# Altium PCB LAY-94611_B.PcbDoc (part 5 of 16) (continued)
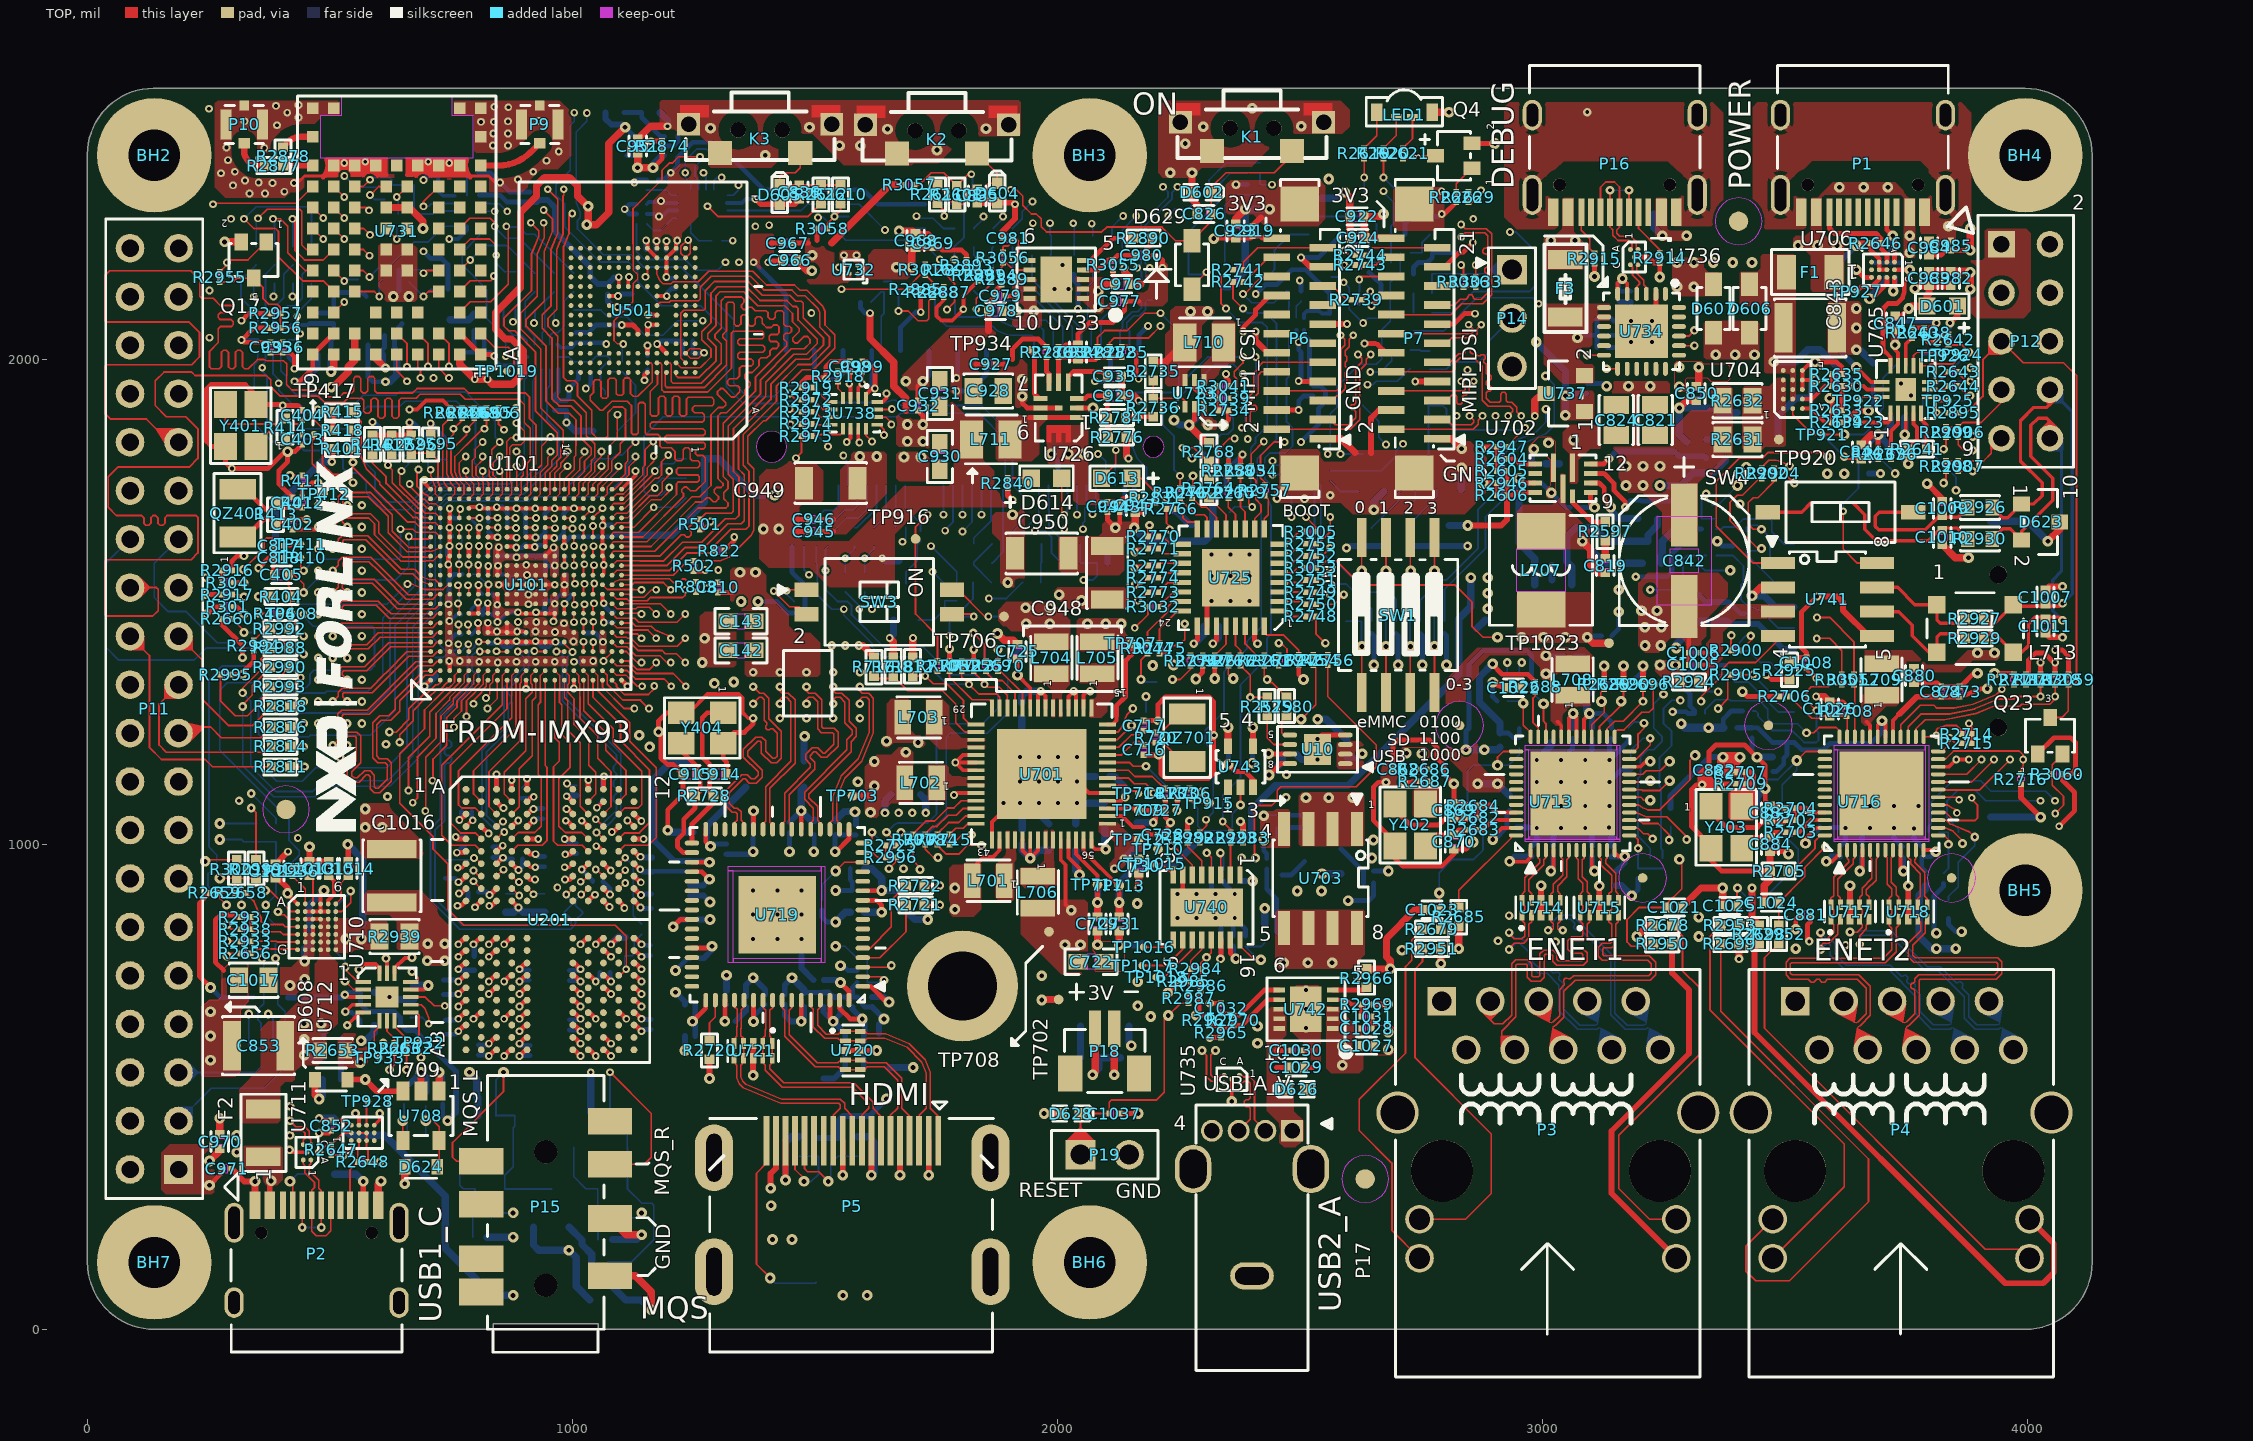
[diagram p0: TOP view]
## Nets (pads, with @x,y where several pads share a name; then routed paths per layer and width w, separated by ;. In a path a pad name is that pad's centre, name@x,y a point inside that pad or via, vN(x,y) a via of type N, cw(c..) or ccw(c..) an arc to the next point about the centre after c; other vN are vias at no path point) (continued)
  TOP w3.88: U201.D3@843.56,1036.93 854.03,1047.4 v5(856.96,1047.4) ; v5(921.56,1398.96) 922.83,1397.69 U101.N4@943.97,1397.69
  BOTTOM w3.88: v5(856.96,1047.4) 850.75,1041.19 841.62,1041.19 822.8,1060.01 822.8,1190 867.8,1235 867.8,1288.04 874.8,1295.04 874.8,1303.56 867.8,1310.56 867.8,1320 909.24,1361.44 909.24,1395.08 913.12,1398.96 v5(921.56,1398.96)
DRAM_SDQS1_C_A: U101.R5 U201.E10 | length 496.4
  TOP w3.88: U101.R5@983.34,1417.38 983.34,1413.7 v5(1000.32,1396.72) ; v5(1049.6,1024.58) 1050.8,1024.58 U201.E10@1064.04,1011.34
  BOTTOM w3.88: v5(1000.32,1396.72) 988.13,1384.53 988.13,1299.67 1099.8,1188 1099.8,1066.99 1067.32,1034.51 1059.53,1034.51 v5(1049.6,1024.58)
DRAM_SDQS1_T_A: U101.R4 U201.D10 | length 494.3
  TOP w3.88: v5@967.15,1397.69 U101.R4@983.34,1397.69 ; v5(1048.14,1051.67) 1049.3,1051.67 U201.D10@1064.04,1036.93
  BOTTOM w3.88: v5(967.14,1397.7) 975.1,1397.7 979.33,1393.47 979.33,1296.02 1091,1184.35 1091,1167.3 1084.8,1161.1 1084.8,1151.78 1091,1145.58 1091,1136.26 1084.8,1130.06 1084.8,1120.74 1091,1114.54 1091,1105.22 1084.8,1099.02 1084.8,1089.7 1091,1083.5 1091,1070.64 1063.67,1043.31 1056.5,1043.31 v5(1048.14,1051.67)
DRAM_ZN: R204.1 U101.E4 | length 94.4
  TOP w3.2: v5(785.41,1412.67) 786.49,1411.59 U101.E4@786.49,1397.69
  BOTTOM w3.62: 717.83,1385.14 732.95,1385.14 739.42,1391.61 764.35,1391.61 v5(785.41,1412.67)
DRAM_ZQ0: R209.2 U201.A5 | length 45.3
  TOP w10: U201.A5@906.56,1113.7 v5(906.56,1135.26)
  BOTTOM w3.62: R209.2@895.37,1116.19 906.56,1127.38 v5(906.56,1135.26)
DSI&CAM_3V3: C918.1 C919.1 C922.1 C923.1 C924.1 L710.2 P6.22 P7.22 R2735.1 TP1062.1 TP1065.1 U723.6 | length 383.4
  TOP w10: v14(2322.8,2249.24) 2323.8,2250.24 2367.8,2250.24 2398.55,2250.24 C919.1@2402.8,2254.49 2418.32,2254.49 2422.82,2249.99 P6.22@2452.76,2249.99
  TOP w15: R2735.1@2197.84,1994.8 2222.85,1994.8 L710.2@2263.05,2035 ; v14(2672.8,2300) 2667.8,2295 2632.56,2295 2632.56,2272 2634.56,2270 2634.56,2250.5 2634.56,2250 P7.22@2688.98,2249.99
  BOTTOM w15: TP1065.1@2275,2015 2275,2040
  other v14: 2274.8,2099 2309.8,2099
DSI_CLK_N: P7.8 TP1072.1 U101.D6 | length 4061.8
  TOP w2.79: v9(764.97,1453.54) 766.8,1451.71 U101.D6@766.8,1437.06 ; P7.8@2688.98,1974.4 2814.9,1974.4 2821,1980.5 2821,1992.75 2831.45,2003.2 2858.81,2003.2 2876,1986.01 2876,1916 2889,1903 2933.53,1903 2939,1897.53 2939,1892.98 v9(2929.8,1883.78)
  ART08 w2.81: v9(764.97,1453.54) 757.43,1446 733.8,1446 678.8,1501 678.8,1706.98 721.8,1749.98 721.8,1779.02 679.8,1821.02 679.8,1893.98 701.82,1916 762.35,1916 895.08,1971 1046.8,1971 1060.8,1985 1162.8,1985 1177.8,1970 1300.82,1970 1350.82,2020 2206.8,2020 2247.8,1979 2315.78,1979 2340.78,1954 2387.8,1954 2417.3,1924.5 2424.28,1924.5 2453.83,1954.05 2470.75,1954.05 2482.77,1942.03 2482.77,1925.11 2453.22,1895.56 2453.22,1888.58 2462.8,1879 2551.8,1879 2572.8,1858 2734.97,1858 2745.8,1847.17 2745.8,1798 2752.74,1791.06 2759.72,1791.06 2778.77,1810.11 2795.69,1810.11 2807.71,1798.09 2807.71,1781.17 2788.66,1762.12 2788.66,1755.14 2790.8,1753 2838.82,1753 2861.82,1776 2902.8,1776 2921.8,1757 2921.8,1739.98 2934.78,1727 2965.82,1727 3001.82,1763 3079.82,1763 3104.8,1787.98 3104.8,1848.19 3098.99,1854 3024.43,1854 2985.6,1837.91 2968.97,1831 2946.63,1831 2936.8,1840.83 2936.8,1876.78 v9(2929.8,1883.78)
DSI_CLK_P: P7.9 TP1073.1 U101.E6 | length 4062
  TOP w2.79: v9(784.97,1453.54) 786.49,1452.02 U101.E6@786.49,1437.06 ; P7.9@2783.46,1994.09 2809.89,1994.09 2827.8,2012 2837.58,2012 2840.85,2015.27 2840.85,2020.73 2844.12,2024 2848.74,2024 2852.01,2020.73 2852.01,2015.27 2855.28,2012 2862.46,2012 2867.26,2007.2 2871.88,2007.2 2874.53,2009.85 2879.15,2009.85 2882.43,2006.57 2882.43,2001.95 2879.78,1999.3 2879.78,1994.68 2884.8,1989.66 2884.8,1971.48 2888.07,1968.21 2891.73,1968.21 2895,1964.94 2895,1960.32 2891.73,1957.05 2888.07,1957.05 2884.8,1953.78 2884.8,1949.16 2888.07,1945.89 2891.73,1945.89 2895,1942.62 2895,1938 2891.73,1934.73 2888.07,1934.73 2884.8,1931.46 2884.8,1919.65 2892.65,1911.8 2911.1,1911.8 2914.37,1915.07 2914.37,1928.73 2917.64,1932 2922.26,1932 2925.53,1928.73 2925.53,1915.07 2928.8,1911.8 2937.19,1911.8 2947.8,1901.19 2947.8,1891.78 2955.8,1883.78 v9(2956.8,1883.78)
  ART08 w2.81: v9(784.97,1453.54) 763.51,1475 721.78,1475 690.8,1505.98 690.8,1702 733.8,1745 733.8,1784 691.8,1826 691.8,1889 706.8,1904 764.74,1904 897.47,1959 1051.78,1959 1065.78,1973 1157.82,1973 1172.82,1958 1305.8,1958 1355.8,2008 2201.82,2008 2242.82,1967 2310.8,1967 2335.8,1942 2382.82,1942 2412.32,1912.5 2429.26,1912.5 2458.81,1942.05 2465.77,1942.05 2470.77,1937.05 2470.77,1930.09 2441.22,1900.54 2441.22,1883.6 2457.82,1867 2546.82,1867 2567.82,1846 2729.99,1846 2733.8,1842.19 2733.8,1793.02 2747.76,1779.06 2764.7,1779.06 2783.75,1798.11 2790.71,1798.11 2795.71,1793.11 2795.71,1786.15 2776.66,1767.1 2776.66,1750.16 2785.82,1741 2843.8,1741 2866.8,1764 2897.82,1764 2909.8,1752.02 2909.8,1735 2929.8,1715 2970.8,1715 3006.8,1751 3084.8,1751 3116.8,1783 3116.8,1853.17 3103.97,1866 3084.42,1866 3079.42,1871 3073.18,1871 3068.18,1866 3022.04,1866 2966.57,1843 2951.61,1843 2948.8,1845.81 2948.8,1876.78 2955.8,1883.78 v9(2956.8,1883.78)
DSI_CTP_NINT: R3005.2 R3033.1 R3034.1 TP1064.1 | length 1151.5
  TOP w3.62: v4(2512.8,1675) 2533.31,1654.49 2533.31,1645 ; 2862.8,2170.51 v3(2862.8,2195)
  ART03 w3.09: v22(2590.8,2159) 2599.8,2150 2631.8,2150 2696.8,2215 2842.8,2215 v3(2862.8,2195)
  ART06 w4: v4(2512.8,1675) 2512.8,1685 2538.8,1711 2538.8,1727 2600.8,1789 2600.8,1855 2614.8,1869 2666.3,1869 2721.8,1924.5 2721.8,2103 2639.8,2185 2616.8,2185 v22(2590.8,2159)
  BOTTOM w3.62: TP1064.1@2565,2170 2579.8,2170 v22(2590.8,2159) 2602.29,2147.51 2602.29,2137
DSI_D0_N: P7.2 TP1068.1 U101.A6 | length 4065.6
  TOP w2.79: v6(505.8,1384.45) 517.2,1395.85 517.2,1403.86 525.14,1411.8 575.8,1411.8 600.01,1436.01 706.7,1436.01 U101.A6@707.75,1437.06 ; P7.2@2688.98,1856.29 2857.3,1856.29 2867.8,1866.79 2867.8,1874.78 v9(2876.8,1883.78)
  ART08 w2.81: v6(505.8,1384.45) 524.35,1403 533.82,1403 543.77,1412.95 578.77,1412.95 620.8,1454.98 620.8,1574.38 632.76,1586.34 643.86,1586.34 647,1589.48 647,1600.39 644.19,1603.2 633.6,1603.2 619.8,1617 619.8,1673.39 632.76,1686.35 639.86,1686.35 644.8,1691.29 644.8,1698.27 639.86,1703.21 632.76,1703.21 620.8,1715.17 620.8,1737.02 594.3,1763.52 594.3,1803.48 635.8,1844.98 635.8,1900.19 641.32,1913.53 673.8,1946 751.18,1946 760.82,1950 768.8,1957.98 768.8,1968.98 786.82,1987 855.37,1987 867.53,1992.05 ; 867.52,1992.05 889.1,2001 1027.82,2001 1041.82,2015 1183.78,2015 1198.78,2000 1282.82,2000 1332.82,2050 2109.49,2050 2114.43,2054.94 2114.43,2063.04 2126.39,2075 2143.33,2075 2155.29,2063.04 2155.29,2054.94 2160.23,2050 2223.8,2050 2249.8,2076 2353.82,2076 2363.82,2086 2422.3,2086 2445.8,2062.5 2445.8,1986.81 2448.61,1984 2511.8,1984 2535.06,1960.74 2535.06,1943.82 2515.5,1924.26 2515.5,1917.28 2520.45,1912.33 2527.43,1912.33 2546.99,1931.89 2563.91,1931.89 2597.31,1898.49 2692.5,1898.49 2701.8,1907.79 2701.8,2059.17 2711.63,2069 2761.97,2069 2771.8,2059.17 2771.8,1942.02 2751.8,1922.02 2751.8,1899.81 2771.22,1880.39 2775.21,1880.39 2810.82,1916 2855.79,1916 2868.3,1903.49 2868.3,1891.28 2875.8,1883.78 v9(2876.8,1883.78)
DSI_D0_P: P7.3 TP1069.1 U101.B6 | length 4067
  TOP w2.79: v6(535.8,1384.45) 526,1394.25 526,1400.21 528.79,1403 579.45,1403 603.66,1427.21 711.73,1427.21 721.58,1437.06 U101.B6@727.43,1437.06 ; P7.3@2783.46,1875.98 2803.02,1875.98 2813.91,1865.09 2853.65,1865.09 2859,1870.44 2859,1874.58 v9(2849.8,1883.78)
  ART08 w2.81: v6(535.8,1384.45) 535.8,1388 548.75,1400.95 583.75,1400.95 588.75,1405.95 592.73,1405.95 595.25,1403.43 599.23,1403.43 603.2,1407.4 603.2,1411.38 600.68,1413.9 600.68,1417.88 604.65,1421.85 608.63,1421.85 611.15,1419.33 615.13,1419.33 619.1,1423.3 619.1,1427.28 616.58,1429.8 616.58,1433.78 632.8,1450 632.8,1457.59 635.61,1460.4 637.99,1460.4 640.8,1463.21 640.8,1468.83 637.99,1471.64 635.61,1471.64 632.8,1474.45 632.8,1480.07 635.61,1482.88 637.99,1482.88 640.8,1485.69 640.8,1491.31 637.99,1494.12 635.61,1494.12 632.8,1496.93 632.8,1502.55 635.61,1505.36 637.99,1505.36 640.8,1508.17 640.8,1513.79 637.99,1516.6 635.61,1516.6 632.8,1519.41 632.8,1569.4 637.74,1574.34 648.84,1574.34 659,1584.5 659,1605.37 649.17,1615.2 638.58,1615.2 631.8,1621.98 631.8,1668.41 637.74,1674.35 644.84,1674.35 656.8,1686.31 656.8,1703.25 644.84,1715.21 637.74,1715.21 632.8,1720.15 632.8,1742 606.3,1768.5 606.3,1798.5 647.8,1840 647.8,1897.8 651.5,1906.72 678.78,1934 753.57,1934 767.62,1939.82 780.8,1953 780.8,1964 791.8,1975 857.76,1975 872.14,1980.96 ; 872.18,1980.98 891.5,1989 1032.8,1989 1046.8,2003 1178.8,2003 1193.8,1988 1287.8,1988 1337.8,2038 2114.47,2038 2126.43,2049.96 2126.43,2058.06 2131.37,2063 2138.35,2063 2143.29,2058.06 2143.29,2049.96 2155.25,2038 2228.78,2038 2254.78,2064 2358.8,2064 2368.8,2074 2417.32,2074 2433.8,2057.52 2433.8,2044 2430.51,2040.71 2428.09,2040.71 2424.8,2037.42 2424.8,2032.76 2428.09,2029.47 2430.51,2029.47 2433.8,2026.18 2433.8,1981.83 2443.63,1972 2506.82,1972 2523.06,1955.76 2523.06,1948.8 2503.5,1929.24 2503.5,1912.3 2515.47,1900.33 2532.41,1900.33 2551.97,1919.89 2558.93,1919.89 2564.5,1914.32 2564.5,1910.34 2562.97,1908.81 2562.97,1904.83 2566.94,1900.86 2570.92,1900.86 2572.45,1902.39 2576.43,1902.39 2592.33,1886.49 2606.89,1886.49 2609.7,1883.68 2609.7,1881.81 2612.51,1879 2618.13,1879 2620.94,1881.81 2620.94,1883.68 2623.75,1886.49 2629.37,1886.49 2632.18,1883.68 2632.18,1881.81 2634.99,1879 2640.61,1879 2643.42,1881.81 2643.42,1883.68 2646.23,1886.49 2651.85,1886.49 2654.66,1883.68 2654.66,1881.81 2657.47,1879 2663.09,1879 2665.9,1881.81 2665.9,1883.68 2668.71,1886.49 2697.48,1886.49 2713.8,1902.81 2713.8,1968.72 2719,1973.92 2719,1979.96 2713.8,1985.16 2713.8,1991.2 2719,1996.4 2719,2002.44 2713.8,2007.64 2713.8,2013.68 2719,2018.88 2719,2024.92 2713.8,2030.12 2713.8,2054.19 2716.61,2057 2727.7,2057 2732.7,2052 2738.94,2052 2743.94,2057 2756.99,2057 2759.8,2054.19 2759.8,2033.54 2756.99,2030.73 2754.61,2030.73 2751.8,2027.92 2751.8,2022.3 2754.61,2019.49 2756.99,2019.49 2759.8,2016.68 2759.8,2011.06 2756.99,2008.25 2754.61,2008.25 2751.8,2005.44 2751.8,1999.82 2754.61,1997.01 2756.99,1997.01 2759.8,1994.2 2759.8,1988.58 2756.99,1985.77 2754.61,1985.77 2751.8,1982.96 2751.8,1977.34 2754.61,1974.53 2756.99,1974.53 2759.8,1971.72 2759.8,1947 2739.8,1927 2739.8,1894.83 2766.24,1868.39 2780.19,1868.39 2786.88,1875.08 2790.86,1875.08 2792.88,1873.06 2796.86,1873.06 2800.83,1877.03 2800.83,1881.01 2798.81,1883.03 2798.81,1887.01 2815.8,1904 2850.81,1904 2856.3,1898.51 2856.3,1890.28 v9(2849.8,1883.78)
DSI_D1_N: P7.5 TP1070.1 U101.A7 | length 4060.3
  TOP w2.79: v6(505.8,1429.45) 516.33,1439.98 516.33,1447.72 524.41,1455.8 706.8,1455.8 U101.A7@707.75,1456.75 ; P7.5@2783.46,1915.35 2802.35,1915.35 2813.23,1926.23 2821.21,1926.23 2824,1923.44 2824,1910.79 2826.79,1908 2832.21,1908 2835,1910.79 2835,1923.44 2837.79,1926.23 2842.06,1926.23 2850,1934.17 2850,1946.17 v9(2858.83,1955)
  ART08 w2.81: v6(505.8,1429.45) 511.75,1429.45 540.25,1457.95 577.75,1457.95 585.8,1466 585.8,1491.18 581,1495.98 581,1502.42 585.8,1507.22 585.8,1712 564.3,1733.5 564.3,1816.48 605.8,1857.98 605.8,1906.65 615.96,1931.17 631.3,1946.51 631.3,1996.48 647.82,2013 761.82,2013 783.82,2035 862.89,2035 883.03,2031 1009.82,2031 1042.82,2064 1072.78,2064 1078.78,2058 1204.71,2058 1216.67,2046.04 1216.67,2037.94 1221.61,2033 1228.59,2033 1233.53,2037.94 1233.53,2046.04 1245.49,2058 1273.82,2058 1295.82,2080 2081.82,2080 2133.82,2132 2153.24,2132 2165.2,2120.04 2165.2,2100.94 2170.14,2096 2177.12,2096 2182.06,2100.94 2182.06,2120.04 2194.02,2132 2329.8,2132 2361.8,2164 2422.8,2164 2441.8,2145 2441.8,2108.98 2477.8,2072.98 2477.8,2025.98 2489.78,2014 2530.8,2014 2612.8,1932 2652.8,1932 2671.8,1951 2671.8,2090.17 2681.63,2100 2746.38,2100 2749.19,2102.81 2749.19,2217.17 2759.02,2227 2780.22,2227 2790.05,2217.17 2790.05,2102.81 2792.86,2100 2792.97,2100 2802.8,2090.17 2802.8,2024 2808.8,2018 2842,2018 2851.83,2008.17 2851.83,1993.96 2861.8,1983.99 2861.8,1957.97 v9(2858.83,1955)
DSI_D1_P: P7.6 TP1071.1 U101.B7 | length 4060.1
  TOP w2.79: v6(535.8,1429.45) 525.13,1440.12 525.13,1444.07 528.06,1447 711.83,1447 721.58,1456.75 U101.B7@727.43,1456.75 ; P7.6@2688.98,1935.03 2838.41,1935.03 2841.2,1937.82 2841.2,1946.63 v9(2832.83,1955)
  ART08 w2.81: v6(535.8,1429.45) 535.8,1436.52 545.23,1445.95 582.73,1445.95 597.8,1461.02 597.8,1716.98 576.3,1738.48 576.3,1811.5 617.8,1853 617.8,1904.26 626.14,1924.37 643.3,1941.53 643.3,1991.5 652.8,2001 766.8,2001 788.8,2023 861.7,2023 881.84,2019 1014.8,2019 1047.8,2052 1067.8,2052 1073.8,2046 1199.73,2046 1204.67,2041.06 1204.67,2032.96 1216.63,2021 1233.57,2021 1245.53,2032.96 1245.53,2041.06 1250.47,2046 1278.8,2046 1300.8,2068 2086.8,2068 2138.8,2120 2148.26,2120 2153.2,2115.06 2153.2,2095.96 2165.16,2084 2182.1,2084 2194.06,2095.96 2194.06,2115.06 2199,2120 2334.78,2120 2366.78,2152 2417.82,2152 2429.8,2140.02 2429.8,2104 2465.8,2068 2465.8,2021 2484.8,2002 2525.82,2002 2607.82,1920 2657.78,1920 2683.8,1946.02 2683.8,2085.19 2686.61,2088 2751.36,2088 2761.19,2097.83 2761.19,2212.19 2764,2215 2775.24,2215 2778.05,2212.19 2778.05,2097.83 2787.88,2088 2787.99,2088 2790.8,2085.19 2790.8,2019.02 2803.82,2006 2837.02,2006 2839.83,2003.19 2839.83,1995.04 2829.83,1985.04 2829.83,1958 v9(2832.83,1955)
DSI_D2_N: P7.11 TP1074.1 U101.A8 | length 4060.9
  TOP w2.79: v6(505.8,1474.45) 516.2,1484.85 516.2,1493.51 524.49,1501.8 599.64,1501.8 614.02,1487.42 ; 614.03,1487.42 626.07,1475.38 706.7,1475.38 U101.A8@707.75,1476.43 ; P7.11@2783.46,2033.46 2802.47,2033.46 2813.35,2044.34 2857.33,2044.34 2865.8,2052.81 2865.8,2063.13 v9(2874.3,2071.63)
  ART08 w2.81: v6(505.8,1474.45) 505.8,1477.99 492.84,1490.95 425.86,1490.95 420.13,1496.68 416.15,1496.68 414.62,1495.15 410.64,1495.15 406.67,1499.12 406.67,1503.1 408.2,1504.63 408.2,1508.61 404.23,1512.58 400.25,1512.58 398.72,1511.05 394.74,1511.05 390.77,1515.02 390.77,1519 392.3,1520.53 392.3,1524.51 388.33,1528.48 384.35,1528.48 382.82,1526.95 378.84,1526.95 374.87,1530.92 374.87,1534.9 376.4,1536.43 376.4,1540.41 370.8,1546.01 370.8,1578.02 327.8,1621.02 327.8,1816.98 373.8,1862.98 373.8,1914.98 391.82,1933 427.8,1933 442.3,1947.5 442.3,2005.03 490.62,2121.8 514.82,2146 535.82,2146 546.8,2156.98 546.8,2173.98 570.82,2198 668.82,2198 676.82,2206 716.78,2206 733.78,2189 804.82,2189 815.32,2199.5 938.28,2199.5 1051.06,2246.24 1065.82,2261 1127.82,2261 1139.82,2273 1347.78,2273 1362.78,2258 1408.82,2258 1479.82,2329 1781.8,2329 1831.8,2279 1907.8,2279 1938.8,2310 2110.8,2310 2125.8,2325 2275.8,2325 2291.8,2341 2544.8,2341 2560.8,2325 2642.82,2325 2648.82,2331 2811.76,2331 2814.57,2333.81 2814.57,2335.19 2817.38,2338 2823,2338 2825.81,2335.19 2825.81,2333.81 2828.62,2331 2834.24,2331 2837.05,2333.81 2837.05,2335.19 2839.86,2338 2845.48,2338 2848.29,2335.19 2848.29,2333.81 2851.1,2331 2858.8,2331 2890.8,2299 2890.8,2183.02 2867.8,2160.02 2867.8,2137.36 2870.61,2134.55 2875.99,2134.55 2878.8,2131.74 2878.8,2126.12 2875.99,2123.31 2870.61,2123.31 2867.8,2120.5 2867.8,2110 2876.8,2101 2876.8,2082.13 2874.3,2079.63 v9(2874.3,2071.63)
DSI_D2_P: P7.12 TP1075.1 U101.B8 | length 4061.7
  TOP w2.79: v6(535.8,1474.45) 525,1485.25 525,1489.86 528.14,1493 595.99,1493 622.41,1466.58 711.73,1466.58 721.58,1476.43 U101.B8@727.43,1476.43 ; P7.12@2688.98,2053.14 2853.68,2053.14 2857,2056.46 2857,2062.93 v9(2848.3,2071.63)
  ART08 w2.81: v6(535.8,1474.45) 518.25,1492 508.77,1492 497.82,1502.95 430.84,1502.95 382.8,1550.99 382.8,1583 339.8,1626 339.8,1812 385.8,1858 385.8,1910 396.8,1921 432.78,1921 454.3,1942.52 454.3,2002.64 500.8,2115 519.8,2134 540.8,2134 558.8,2152 558.8,2169 575.8,2186 673.8,2186 681.8,2194 711.8,2194 728.8,2177 809.8,2177 820.3,2187.5 940.67,2187.5 1057.86,2236.06 1070.8,2249 1132.8,2249 1144.8,2261 1342.8,2261 1357.8,2246 1413.8,2246 1484.8,2317 1776.82,2317 1826.82,2267 1912.78,2267 1943.78,2298 2115.78,2298 2130.78,2313 2280.78,2313 2296.78,2329 2539.82,2329 2555.82,2313 2647.8,2313 2653.8,2319 2853.82,2319 2878.8,2294.02 2878.8,2188 2855.8,2165 2855.8,2111 2845.8,2101 2845.8,2082.13 2848.3,2079.63 v9(2848.3,2071.63)
DSI_D3_N: P7.14 TP1076.1 U101.A9 | length 4058.2
  TOP w2.79: v6(505.8,1519.45) 517,1530.65 517,1538.74 525.06,1546.8 591.21,1546.8 613.63,1524.38 624.03,1513.99 ; 624.02,1513.99 642.94,1495.07 706.7,1495.07 U101.A9@707.75,1496.12 ; P7.14@2688.98,2092.51 2811.5,2092.51 2834.19,2115.2 2877.65,2115.2 2896,2133.55 2896,2259.01 2885.01,2270 2841.3,2270 v9(2832.8,2278.5)
  ART08 w2.81: v6(505.8,1519.45) 489.3,1535.95 432.85,1535.95 404.8,1564 404.8,1587 357.8,1634 357.8,1799 407.3,1848.5 407.3,1867.5 421.77,1881.97 440.77,1881.97 445.8,1887 445.8,1906.98 472.3,1933.48 472.3,1992.17 505.71,2072.89 588.29,2155.48 604.04,2162 706.53,2162 718.62,2157 841.38,2157 863.1,2166 945.02,2166 1064.19,2215.39 1078.8,2230 1246.78,2230 1248.78,2228 1267.36,2228 1278.36,2217 1291.24,2217 1302.24,2228 1421.82,2228 1470.82,2277 1600.8,2277 1619.8,2296 1686.8,2296 1740.8,2242 1752.07,2242 1757.01,2246.94 1757.01,2268.04 1768.97,2280 1785.91,2280 1797.87,2268.04 1797.87,2246.94 1802.81,2242 1939.82,2242 1960.82,2263 2079.51,2263 2120.56,2280 2351.8,2280 2376.8,2255 2395.02,2255 2397.83,2257.81 2397.83,2282.17 2407.66,2292 2428.86,2292 2438.69,2282.17 2438.69,2257.81 2441.5,2255 2472.37,2255 2475.18,2257.81 2475.18,2300.17 2485.01,2310 2506.21,2310 2516.04,2300.17 2516.04,2257.73 2518.77,2255 2557.82,2255 2574.32,2271.5 2825.8,2271.5 v9(2832.8,2278.5)
DSI_D3_P: P7.15 TP1077.1 U101.B9 | length 4059
  TOP w2.79: v6(535.8,1519.45) 525.8,1529.45 525.8,1535.09 528.71,1538 587.56,1538 601.57,1523.99 611.57,1513.98 639.29,1486.27 717.58,1486.27 U101.B9@727.43,1496.12 ; P7.15@2783.46,2112.2 2818.74,2112.2 2830.54,2124 2843.14,2124 2846.41,2127.27 2846.41,2129.73 2849.68,2133 2854.3,2133 2857.57,2129.73 2857.57,2127.27 2860.84,2124 2874,2124 2887.2,2137.2 2887.2,2153.14 2882,2158.34 2882,2164.3 2887.2,2169.5 2887.2,2175.46 2882,2180.66 2882,2186.62 2887.2,2191.82 2887.2,2214.48 2883.93,2217.75 2880.27,2217.75 2877,2221.02 2877,2225.64 2880.27,2228.91 2883.93,2228.91 2887.2,2232.18 2887.2,2255.36 2881.36,2261.2 2841.5,2261.2 v9(2832.8,2252.5)
  ART08 w2.81: v6(535.8,1519.45) 518.25,1537 505.23,1537 494.28,1547.95 437.83,1547.95 416.8,1568.98 416.8,1591.98 369.8,1638.98 369.8,1794.02 419.3,1843.52 419.3,1862.52 426.75,1869.97 445.75,1869.97 457.8,1882.02 457.8,1902 484.3,1928.5 484.3,1989.78 515.89,2066.09 595.1,2145.3 606.43,2150 704.14,2150 716.23,2145 843.77,2145 865.49,2154 947.41,2154 1069.8,2204.72 1070.99,2205.21 1083.78,2218 1241.8,2218 1243.8,2216 1262.38,2216 1273.38,2205 1296.22,2205 1307.22,2216 1426.8,2216 1475.8,2265 1605.78,2265 1624.78,2284 1681.82,2284 1735.82,2230 1757.05,2230 1769.01,2241.96 1769.01,2263.06 1773.95,2268 1780.93,2268 1785.87,2263.06 1785.87,2241.96 1797.83,2230 1944.8,2230 1965.8,2251 2081.9,2251 2122.95,2268 2346.82,2268 2371.82,2243 2400,2243 2409.83,2252.83 2409.83,2277.19 2412.64,2280 2423.88,2280 2426.69,2277.19 2426.69,2252.83 2436.52,2243 2477.35,2243 2487.18,2252.83 2487.18,2295.19 2489.99,2298 2501.23,2298 2504.04,2295.19 2504.04,2252.75 2513.79,2243 2517.94,2243 2520.75,2240.19 2520.75,2233.81 2523.56,2231 2529.18,2231 2531.99,2233.81 2531.99,2240.19 2534.8,2243 2540.42,2243 2543.23,2240.19 2543.23,2233.81 2546.04,2231 2551.66,2231 2554.47,2233.81 2554.47,2240.19 2557.28,2243 2562.8,2243 2579.3,2259.5 2586.21,2259.5 2589.02,2256.69 2589.02,2254.81 2591.83,2252 2597.45,2252 2600.26,2254.81 2600.26,2256.69 2603.07,2259.5 2608.69,2259.5 2611.5,2256.69 2611.5,2254.81 2614.31,2252 2619.93,2252 2622.74,2254.81 2622.74,2256.69 2625.55,2259.5 2718.97,2259.5 2721.78,2256.69 2721.78,2253.81 2724.59,2251 2730.21,2251 2733.02,2253.81 2733.02,2256.69 2735.83,2259.5 2741.45,2259.5 2744.26,2256.69 2744.26,2253.81 2747.07,2251 2752.69,2251 2755.5,2253.81 2755.5,2256.69 2758.31,2259.5 2763.93,2259.5 2766.74,2256.69 2766.74,2253.81 2769.55,2251 2775.17,2251 2777.98,2253.81 2777.98,2256.69 2780.79,2259.5 2786.41,2259.5 2789.22,2256.69 2789.22,2253.81 2792.03,2251 2797.65,2251 2800.46,2253.81 2800.46,2256.69 2803.27,2259.5 2825.8,2259.5 v9(2832.8,2252.5)
DSI_SCL: P7.20 R2743.2 | length 60.1
  TOP w3.62: 2635.31,2195 2657.79,2195 2673.41,2210.62 P7.20@2688.98,2210.62
DSI_SDA: P7.21 R2744.2 | length 154.5
  TOP w3.62: 2635.31,2215 2650.62,2230.31 P7.21@2783.46,2230.31
E14_USB2_VBUS_3V3: R304.2 R2916.1 | length 98.3
  TOP w10: 277.29,1540 277.29,1565 ; R304.2@298.31,1540 321.8,1540 v26(322.8,1539) ; R2916.1@298.31,1565 298.31,1584.52 308.79,1595 v27(322.8,1595)
EMMC_VDDIM: C508.1 C509.1 U501.C2 | length 142.2
  TOP w3.2: U501.C2@1233.45,2012.66 1243.3,2002.81 1260.52,2002.81 v5(1271.56,2013.85) 1262.88,2022.53 1243.32,2022.53 U501.C2@1233.45,2012.66
  BOTTOM w10: C509.1@1248.27,2038.4 1248.27,2012.64 C508.1@1248.22,2012.59 1270.3,2012.59 v5(1271.56,2013.85)
EN_SNK: R2933.2 U710.F1 | length 97.7
  TOP w3.62: 336.31,800 389.79,800 391.29,798.5 U710.F1@433.43,798.5
EN_SRC: R2656.2 U710.G1 | length 101.8
  TOP w3.62: 336.31,775 342.79,775 352.29,784.5 431.69,784.5 U710.G1@433.43,782.76
ENET1_AVDD3: C861.1 C862.1 FB18.2 U713.1 U713.12 | length 455.3
  TOP w8: v14(2932.8,965) 2967.8,965 2976.19,973.39 U713.1@2976.19,988.27 ; U713.12@3149.41,988.27 3149.41,983.24 3157.41,975.24 v14(3170.3,975.24)
  ART03 w15: v14(2932.8,965) 2952.8,985 3160.54,985 v14(3170.3,975.24)
  BOTTOM w12: v14(2932.8,965) 2943.04,975.24 2977.8,975.24 ; 3142.8,975.24 v14(3170.3,975.24) 3169.8,974.74 3169.8,961.76 FB18.2@3152.8,944.76
ENET1_AVDDL: C863.1 C864.1 C865.1 FB19.2 U713.4 U713.9 U713.47 | length 294.4
  TOP w8: v14(2897.92,1009.88) 2897.92,1015.12 2916.93,1034.13 U713.47@2946.07,1034.13 ; v14(3017.8,945) 3023.43,950.63 U713.4@3023.43,988.27 ; U713.9@3102.17,988.27 3102.17,950.63 v14(3107.8,945)
  BOTTOM w10: v14(2897.92,1009.88) 2902.17,1009.88 C863.1@2927.29,1035 2927.29,1064.73 FB19.2@2932.8,1070.24
  BOTTOM w12: v14(3017.8,945) 3022.8,950 3022.8,975.24 ; 3102.8,975.24 3102.8,950 v14(3107.8,945)
ENET1_DVDD3: C857.1 C858.1 FB17.2 R2688.2 R2697.2 U713.30 U713.31 | length 471.5
  TOP w8: U713.31@3054.93,1221.73 3054.93,1261.13 v7(3063.8,1270) 3070.67,1263.13 U713.30@3070.67,1221.73
  TOP w10: v7(2897.8,1372.2) 2897.8,1370 2917.09,1350.71 2970.6,1350.71 2985.8,1335.51
  BOTTOM w10: FB17.2@2912.8,1229.76 2930.04,1229.76 2939.29,1220.51 R2697.2@2952.8,1220.51 2952.8,1239
  BOTTOM w12: 3062.8,1239.76 3062.8,1269 v7(3063.8,1270)
  BOTTOM w15: v7(2897.8,1372.2) 2870.8,1345.2 2870.8,1293 2912.8,1251 FB17.2@2912.8,1229.76
ENET1_DVDD_RGMII: C859.1 C860.1 R2696.2 U713.29 | length 366.7
  TOP w8: U713.29@3086.42,1221.73 3086.42,1257.62 3097.3,1268.5 v7(3097.3,1270)
  TOP w12: 3207.76,1341.22 3207.76,1367.92 v7(3207.84,1368)
  BOTTOM w10: v7(3097.3,1270) 3125.8,1270 3142.8,1253 3142.8,1239.76
  BOTTOM w12: v7(3097.3,1270) 3102.8,1264.5 3102.8,1239.76
  BOTTOM w15: v7(3097.3,1270) 3091.8,1275.5 3091.8,1307 3113.8,1329 3182.8,1329 3207.84,1354.04 v7(3207.84,1368)
ENET1_DVDDL: C866.1 C867.1 FB19.1 L708.2 U713.22 | length 162.9
  TOP w8: U713.22@3179.53,1160.12 3202.92,1160.12 3213.92,1171.12 v14(3222.68,1171.12)
  BOTTOM w10: v7(3007.8,1389.2) 3008,1389 C867.1@3046.29,1389
  BOTTOM w15: v14(2866.8,1125) v14(2907.8,1125) 2907.8,1124.76 FB19.1@2932.8,1099.76
  other v7: 3007.8,1352
ENET1_INT: R2680.2 R3046.2 R3048.2 U713.34 | length 170.1
  TOP w3.62: v7(3002.8,1290) 3002.8,1254 3007.68,1249.12 U713.34@3007.68,1221.73
  BOTTOM w3.62: R3046.2@2927.8,1329.49 R3048.2@2952.8,1329.49 R2680.2@2977.8,1329.49 2977.8,1315 v7(3002.8,1290)
ENET1_MDC: U101.AA11 U713.14 | length 2588.6
  TOP w3.62: U101.AA11@1101.45,1535.49 1123.29,1535.49 1127.8,1540 1187.8,1540 v9(1202.8,1525) ; U713.14@3179.53,1034.13 3194.07,1034.13 3198.51,1032.29 3208.8,1022 3217.3,1022 v6(3227.8,1011.5)
  ART08 w3.09: v9(1202.8,1525) 1218.8,1541 1239.8,1541 1248.3,1532.5 1248.3,1528.49 1265.7,1511.09 1323.89,1511.09 1332.5,1519.7 1395.1,1519.7 1412.8,1502 1444.8,1502 1465.48,1522.68 1538.63,1553 1661.8,1553 1674.3,1540.5 1696.3,1540.5 1720.8,1516 1836.8,1516 1843.8,1523 1882.8,1523 1885.8,1520 1907.8,1520 1923.8,1536 2009.8,1536 2027.8,1518 2027.8,1493 2040.8,1480 2074.8,1480 2081,1473.8 2081,1439 2090,1430 2271.8,1430 2274.8,1433 2578.79,1433 2608.8,1402.99 2608.8,1381 2738.8,1251 2779.8,1251 2815.8,1215 2857.8,1215 2861.8,1211 2861.8,1182.5 2900.3,1144 2919.8,1144 2933.8,1130 2933.8,1062.41 2981.21,1015 3224.3,1015 v6(3227.8,1011.5)
ENET1_MDIO: R2691.1 U101.AA10 U713.15 | length 2707.3
  TOP w3.2: U101.AA10@1101.46,1515.81 1116.8,1515.81 1122.61,1510 1147.99,1510 1162.99,1525 v9(1172.8,1525)
  TOP w3.62: U713.15@3179.53,1049.88 3194.85,1049.88 3204.87,1045.73 3207.6,1043 3238.8,1043 3261.8,1020 v6(3261.8,1009)
  ART08 w3.09: v9(1172.8,1525) 1172.8,1529 1206.8,1563 1243.8,1563 1259.8,1547 1308.7,1547 1323.8,1531.9 1387.06,1531.9 1407.34,1540.3 1460.1,1540.3 1468.8,1549 1468.8,1564.21 1472.92,1568.33 1506.43,1582.21 1527.59,1582.21 1545.9,1563.9 1699.9,1563.9 1728.8,1535 1827.8,1535 1836.8,1544 1872.8,1544 1892.8,1564 1908.8,1564 1917.8,1555 2020.8,1555 2046.8,1529 2079,1529 2132.76,1475.24 2158.69,1464.5 2222.3,1464.5 2231.8,1474 2269.8,1474 2291.8,1452 2617.79,1452 2655.8,1413.99 2655.8,1397 2677.8,1375 2677.8,1341 2747.8,1271 2796.8,1271 2833.8,1234 2871.48,1234 2954.8,1150.68 2954.8,1082 2981.8,1055 3234.8,1055 3261.8,1028 v6(3261.8,1009)
  BOTTOM w3.62: v6(3261.8,1009) 3264.84,1012.04 3264.84,1037.2
ENET1_MODE0: R2692.1 U101.Y9 U713.25 | length 2723.6
  TOP w3.2: U101.Y9@1081.76,1496.12 1091.69,1486.19 1131.88,1486.19 1134.65,1488.96 1158.84,1488.96 1161.35,1486.45
  TOP w3.62: 1161.35,1486.45 v3(1172.8,1475) ; U713.25@3149.41,1221.73 3149.41,1230.11 3155.3,1236 3168.56,1236 3205.06,1272.5 3220.3,1272.5 3228.8,1281 3228.8,1328.3 v11(3230.5,1330)
  ART03 w3.09: v3(1172.8,1475) 1193.3,1495.5 1312.01,1495.5 1335.51,1472 1433.8,1472 1452.8,1491 1539.8,1491 1549.8,1501 1634.88,1501 1691.49,1477.6 1729.21,1439.88 1729.21,1381.79 1856,1255 2115,1255 2140,1230 2158.99,1230 2228.19,1299.2 2353.6,1299.2 2369.8,1283 2413.8,1283 2442.9,1312.1 2595.1,1312.1 2626,1343 2655.65,1343 2659.27,1339.38 2659.27,1337.62 2662.89,1334 2668.01,1334 2671.63,1337.62 2671.63,1339.38 2675.25,1343 2680.37,1343 2683.99,1339.38 2683.99,1337.62 2687.61,1334 2692.73,1334 2696.35,1337.62 2696.35,1339.38 2699.97,1343 2870.8,1343 2881.3,1353.5 2974.3,1353.5 2991.4,1370.6 3087.2,1370.6 3113.8,1344 3142.8,1344 3186.8,1300 3186.8,1286 3197.8,1275 3220.8,1275 3227.8,1282 3227.8,1327.3 v11(3230.5,1330)
  BOTTOM w3.62: v11(3230.5,1330) 3240.5,1340 3272.29,1340
ENET1_MODE1: R2693.1 U101.AA9 U713.24 | length 2711.6
  TOP w3.2: U101.AA9@1101.45,1496.12 1161.74,1496.12
  TOP w3.62: 1161.74,1496.12 1181.68,1496.12 v3(1202.8,1475) ; U713.24@3179.53,1191.61 3189.41,1191.61 3197.8,1200 3197.8,1227.4 3210,1239.6 v11(3210,1250)
  ART03 w3.09: v3(1202.8,1475) 1218.8,1459 1310.8,1459 1321,1448.8 1458.6,1448.8 1468.6,1458.8 1625.68,1458.8 1631.14,1453.34 1673.46,1453.34 1685.8,1441 1685.8,1352 1706.2,1331.6 1739.4,1331.6 1838,1233 2085.51,1233 2174.11,1144.4 2326.71,1144.4 2333.8,1151.49 2333.8,1173 2382.2,1221.4 2382.2,1247.69 2396.71,1262.2 2433,1262.2 2452.8,1282 2634.53,1282 2638.15,1285.62 2638.15,1297.38 2641.77,1301 2646.89,1301 2650.51,1297.38 2650.51,1281.62 2654.13,1278 2659.25,1278 2662.87,1281.62 2662.87,1297.38 2666.49,1301 2671.61,1301 2675.23,1297.38 2675.23,1281.62 2678.85,1278 2683.97,1278 2687.59,1281.62 2687.59,1297.38 2691.21,1301 2696.33,1301 2699.95,1297.38 2699.95,1281.62 2703.57,1278 2708.69,1278 2712.31,1281.62 2712.31,1297.38 2715.93,1301 2721.05,1301 2724.67,1297.38 2724.67,1285.62 2728.29,1282 2919.8,1282 2951.8,1314 3133.8,1314 3141.8,1306 3141.8,1280 3171.8,1250 v11(3210,1250)
  BOTTOM w3.62: R2693.1@3177.8,1240.51 3189.69,1252.4 3207.6,1252.4 v11(3210,1250)